# Altium PCB Sensor_Box_Hub_OrangePi.PCBDOC (part 1 of 2)
Units mm, origin at the board's own origin, x right, y up, seen from the top; angles counter-clockwise.
Board outline 45.25 x 72.98 mm, 2 copper layers (Top, Bot), stack 1.571 mm thick; 78 components, 71 nets, 345 pads, 240 vias.
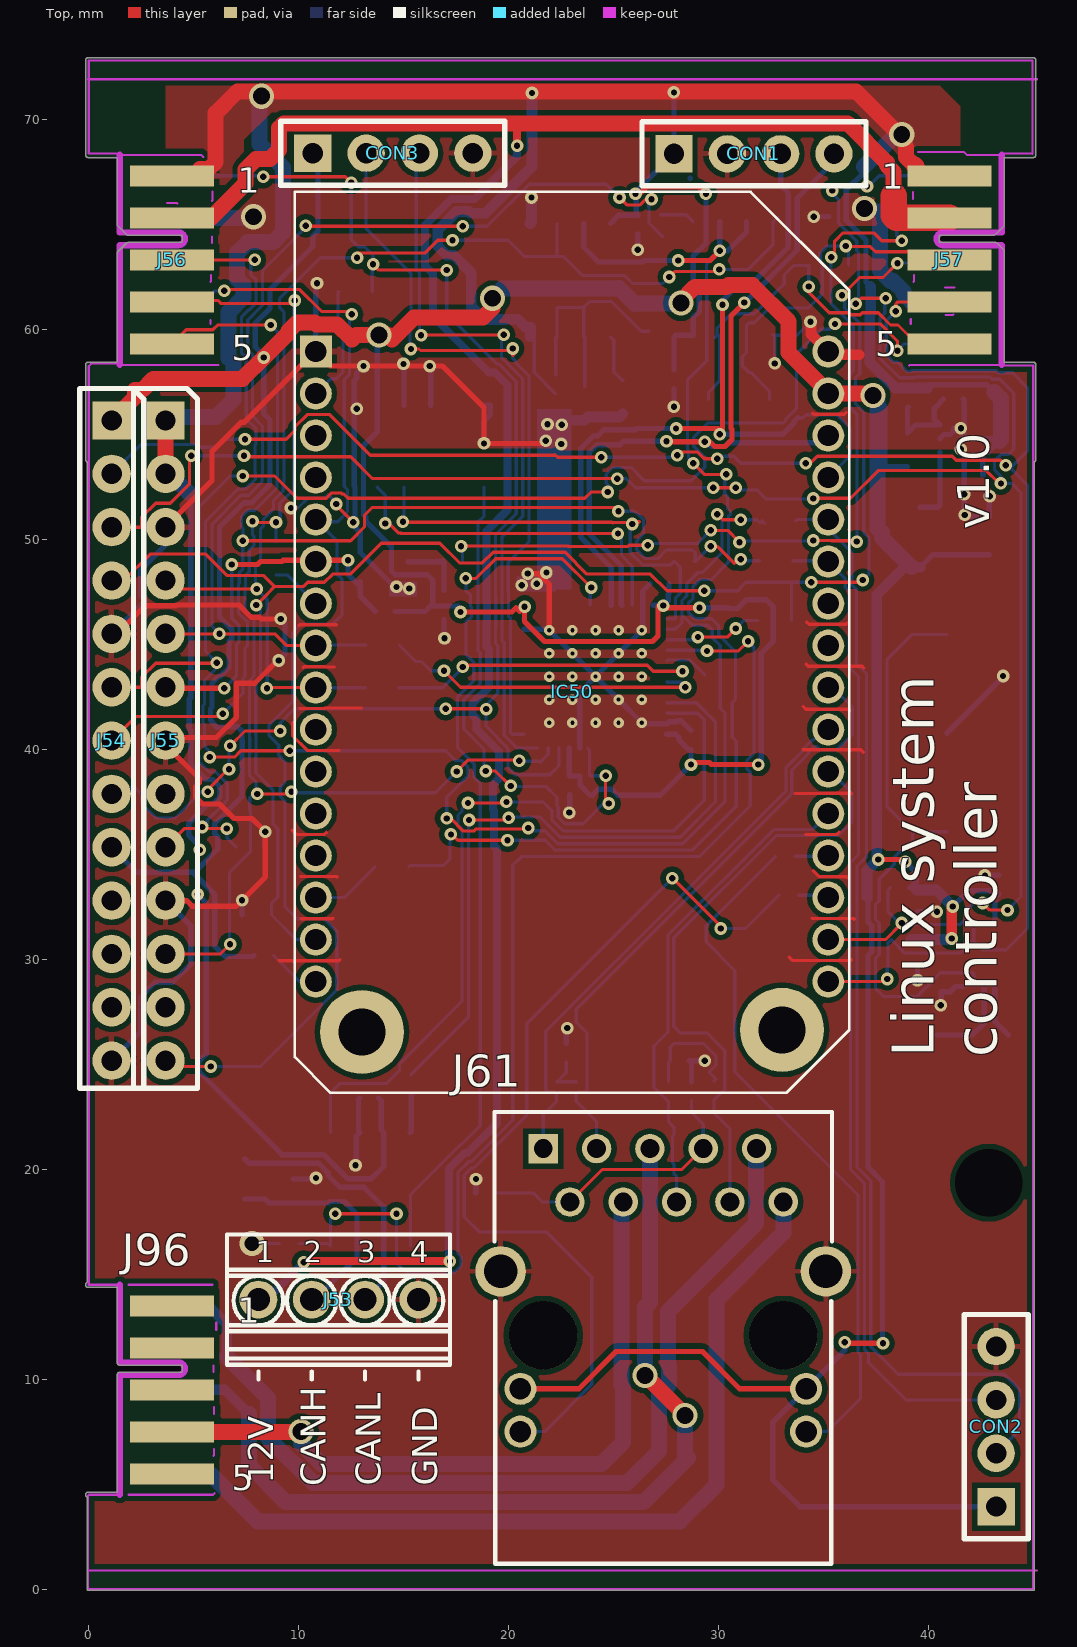
[diagram p0: Top view]
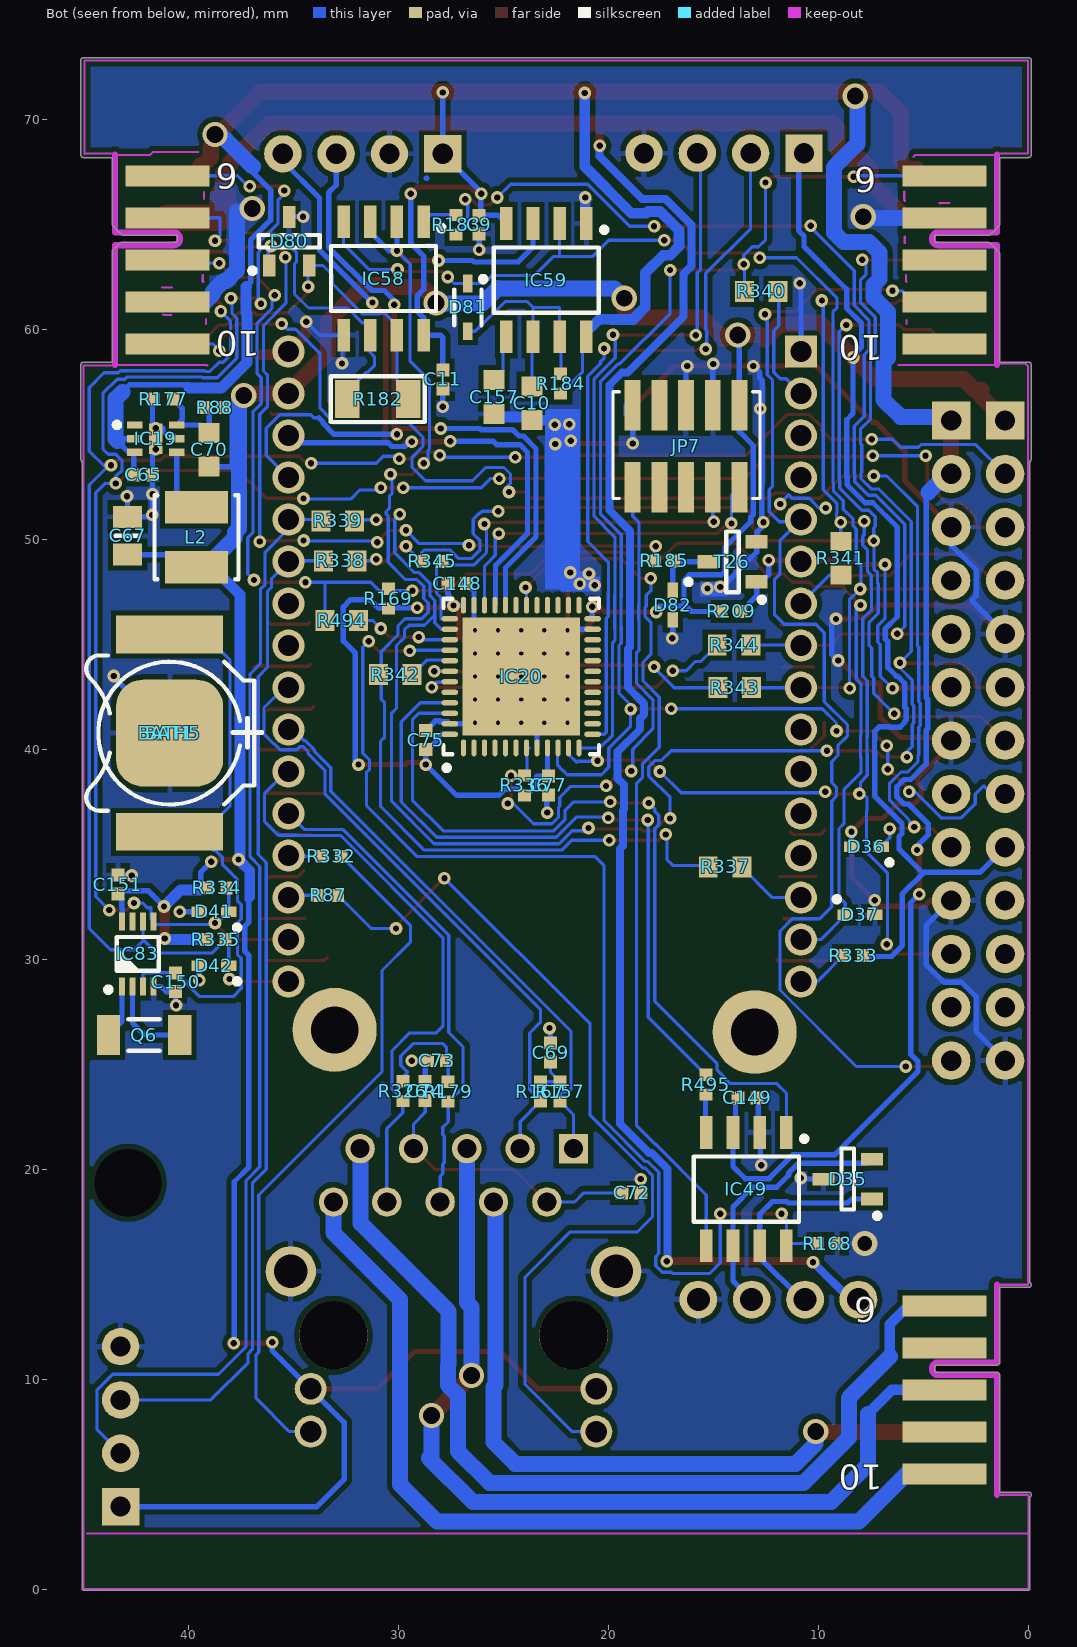
[diagram p1: Bot view, seen from below]
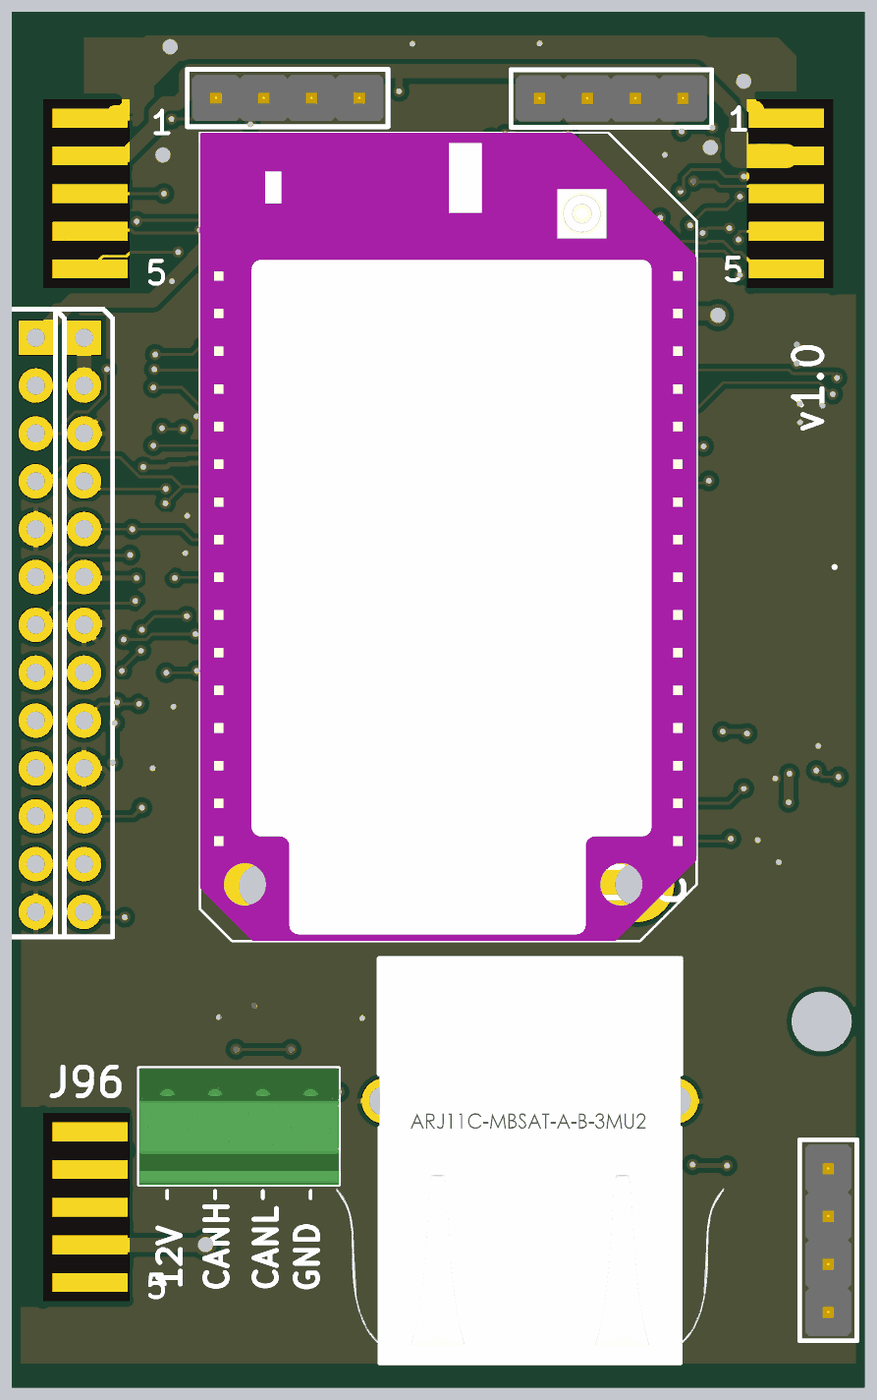
[diagram p3: 3D render of the assembled board from above, using the file's embedded part models]
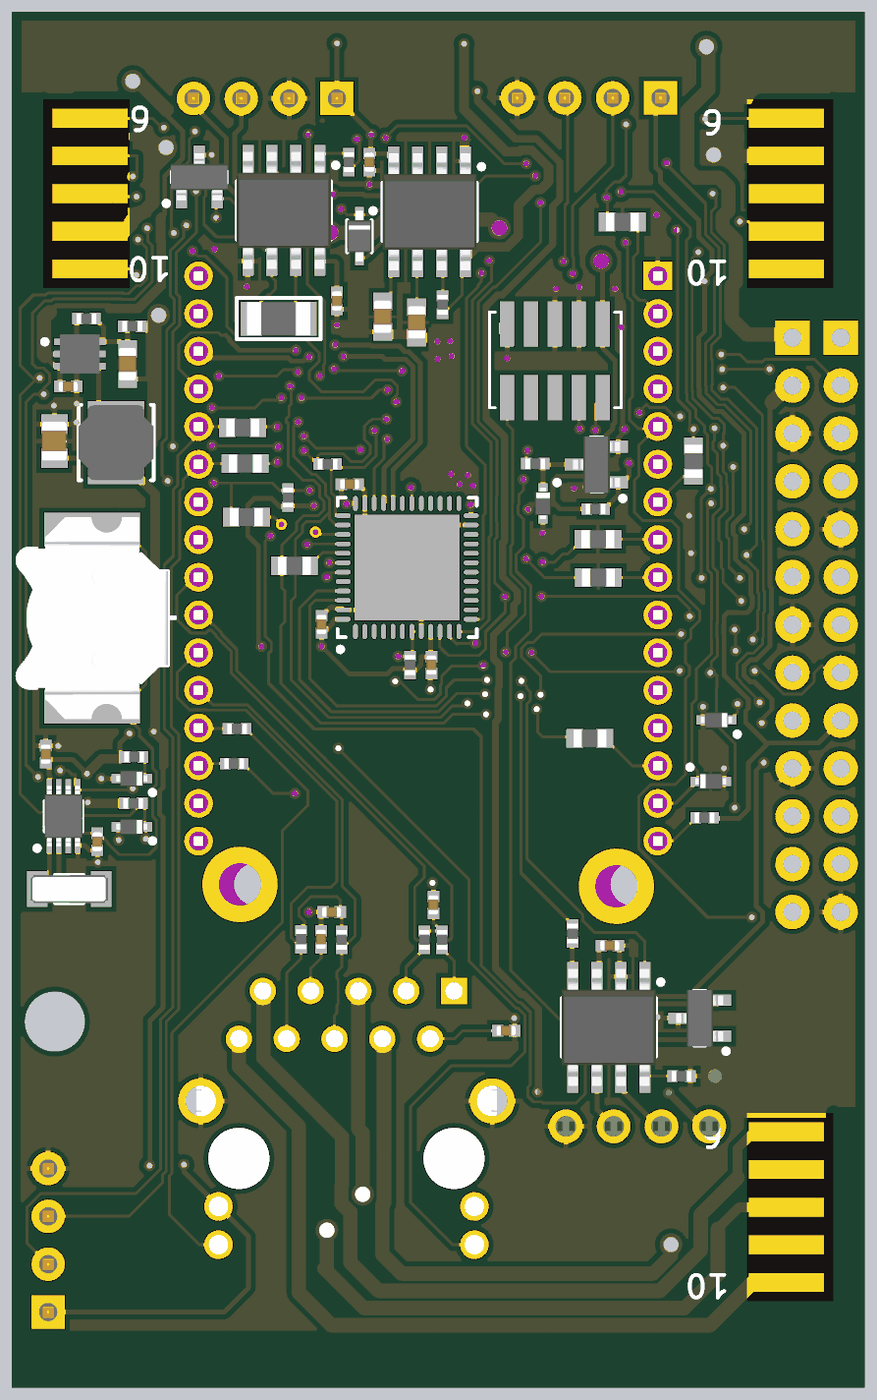
[diagram p4: 3D render of the assembled board from below, using the file's embedded part models]

## Layer stack, top to bottom
TopSolder: solder mask 0.0102, Solder Resist, Dk 3.5
Top: signal copper 0.0356
Dielectric1: core 1.5, FR-4, Dk 4.8
Bot: signal copper 0.0356
BottomSolder: solder mask 0.0102, Solder Resist, Dk 3.5

## Board outline
-0.05,4.383 cw(c0,4.5) 0,4.627 1.373,4.627 1.373,10.2 cw(c1.5,10.2) 1.5,10.327 4.473,10.327 4.473,10.673 1.5,10.673 cw(c1.5,10.8) 1.373,10.8 1.373,14.373 0.5,14.373 cw(c0.5,14.5) 0.498,14.373 0,14.373 cw(c0,14.5) -0.05,14.617 -0.05,53.683 cw(c0,53.8) -0.127,53.8 -0.127,58.3 cw(c0,58.3) 0,58.427 1.373,58.427 1.373,63.6 cw(c1.5,63.6) 1.41,63.69 1.81,64.09 1.809,64.09 cw(c1.9,64) 1.9,64.127 4.473,64.127 4.473,64.473 1.9,64.473 cw(c1.9,64.6) 1.809,64.51 1.81,64.51 1.41,64.91 1.41,64.909 cw(c1.5,65) 1.373,65 1.373,68.173 0,68.173 cw(c0,68.3) -0.127,68.3 -0.127,72.8 cw(c0,72.8) 0.002,72.927 45,72.927 cw(c45,72.8) 45.127,72.8 cw(c45,72.8) 45.127,72.798 45.127,68.3 cw(c45,68.3) 45,68.173 43.627,68.173 43.627,65 cw(c43.5,65) 43.59,64.909 43.59,64.91 43.19,64.51 cw(c43.1,64.6) 43.1,64.473 40.527,64.473 40.527,64.127 43.2,64.127 cw(c43.2,64) 43.29,64.09 43.49,63.89 ccw(c43.4,63.8) 43.49,63.89 ccw(c43.4,63.8) 43.49,63.89 43.59,63.79 cw(c43.5,63.7) 43.627,63.7 43.627,58.427 45,58.427 cw(c45,58.3) 45.127,58.3 45.127,53.8 cw(c45,53.8) 45.05,53.683 45.05,0 cw(c45,0) 45,-0.05 0,-0.05 cw(c0,0) -0.05,0

## Design rules (kind name [scope] priority, off if disabled: settings)
Clearance Clearance_DIFF [(InDifferentialPairClass('All Differential Pairs'))] p1: gap=0.127 ignorepadtopadclearanceinfootprint=FALSE except(0: Arc-Hole Track-Hole SMDPad-Hole THPad-Hole Via-Hole Fill-Hole Poly-Hole Region-Hole Text-Hole; 0.254: Arc-Poly Track-Poly SMDPad-Poly THPad-Poly Via-Poly Fill-Poly Poly-Poly Poly-Region Poly-Text)
Clearance [All] p2: gap=0.152 ignorepadtopadclearanceinfootprint=FALSE except(0.254: Arc-Poly Track-Poly SMDPad-Poly THPad-Poly Via-Poly Fill-Poly Poly-Poly)
ComponentClearance [All] p1 off: gap=0.254 collisioncheckmode=3 verticalgap=0 showdistances=FALSE
DiffPairsRouting [All] p1: maxlimit=0.254 minlimit=0.127 mostfreqgap=0.127 toplayer_minwidth=0.127 toplayer_maxwidth=0.381 toplayer_prefwidth=0.254 bottomlayer_minwidth=0.127 bottomlayer_maxwidth=0.381 bottomlayer_prefwidth=0.254 maxuncoupledlength=12.7
FabricationTestPointUsage TestPointUsage [All] p1: valid=0 allowmultiple=FALSE
FabricationTestpoint Testpoint [All] p1: side=3 testpointundercomponent=TRUE minsize=1.016 maxsize=2.54 preferedsize=1.524 minholesize=0.508 maxholesize=1.016 preferedholesize=0.813 testpointgrid=0.025 allowsidetop=TRUE allowsidebottom=TRUE usegrid=TRUE gridtolerance=0
Height [All] p1 off: minheight=0 maxheight=25.4 prefheight=12.7
HoleSize [All] p1: absolutevalues=TRUE maxlimit=3.81 minlimit=0.025 maxpercent=80.000 minpercent=20.000
HoleToHoleClearance [All] p1: gap=0.025 allowstackedmicrovias=TRUE
MinimumSolderMaskSliver [All] p1: minsoldermaskwidth=0
PlaneClearance [All] p1: clearance=0.254
PlaneConnect [All] p1: planeconnectstyle=Direct reliefexpansion=0.508 reliefentries=4 reliefconductorwidth=0.254 reliefairgap=0.254
PolygonConnect PolygonConnect_pad [(InPadClass('All Pads'))] p1: connectstyle=Relief reliefconductorwidth=0.254 reliefentries=4 polygonreliefangle="90 Angle" airgapwidth=0.254
PolygonConnect [All] p2: connectstyle=Direct reliefconductorwidth=0.254 reliefentries=4 polygonreliefangle="45 Angle" airgapwidth=0.254
RoomDefinition Sensor_Box_Hub_OrangePi [InComponentClass('Sensor_Box_Hub_OrangePi')] p1 off: confinementstyle=ConfineIn formatcopy=TRUE lockcomponents=FALSE outline 65.65,12.65 248.399,12.65 248.399,36.4 65.65,36.4
RoutingVias RoutingVias_PWR [InNetClass('PWR')] p1: holewidth=0.8 width=1.2 viastyle="Through Hole" minholewidth=0.2 minwidth=0.5 maxholewidth=0.8 maxwidth=1.2
RoutingVias [All] p2: holewidth=0.3 width=0.6 viastyle="Through Hole" minholewidth=0.2 minwidth=0.5 maxholewidth=0.8 maxwidth=1.2
SilkToSilkClearance [All] p1: silktosilkclearance=0
SilkToSolderMaskClearance SilkscreenOverComponentPads [IsPad] p1: minsilkscreentomaskgap=0 clearancetoexposedcopper=TRUE
SolderMaskExpansion [All] p1: expansion=0.051
Width Width_PWR [InNetClass('PWR')] p1: maxlimit=1.27 minlimit=0.1 preferedwidth=0.508
Width [InNetClass('All Nets')] p2: maxlimit=1.27 minlimit=0.152 preferedwidth=0.254
18 further rules are at their usual default settings.

## Classes and differential pairs
net class PWR: GND P3V3 P5V0 P12V0
differential pair PHY_TD: +PHY_TD_P -PHY_TD_N
differential pair PHY_RD: +PHY_RD_P -PHY_RD_N

## Components (designator, comment, footprint, x,y, rotation, side; value= is the part's Value field where it differs from the comment)
BAT1 "1.55V" "BAT_VARTA_V 364 MF" 40.894,40.767 r180 bottom
BATH5 "=Value" BATH_KEYSTONE_2998 40.894,40.767 r90 bottom
C9 "100nF" CAPC1005X55N 26.162,64.973 r270 bottom
C10 "10nF" CAPC1608X87N 23.647,56.464 r90 bottom
C11 "100nF" CAPC1005X55N 27.889,57.607 r270 bottom
C65 "1uF" CAPC1005X55N 42.164,53.061 r0 bottom
C67 "10uF" CAPC2012X135N 42.901,50.165 r90 bottom
C69 "100nF" CAPC1005X55N 22.758,25.552 r90 bottom
C70 "68pF" CAPC1608X87N 39.014,54.254 r270 bottom
C72 "100nF" CAPC1005X55N 18.898,18.872 r180 bottom
C73 "100nF" CAPC1005X55N 28.169,25.171 r0 bottom
C74 "100nF" CAPC1005X55N 28.727,23.724 r90 bottom
C75 "100nF" CAPC1005X55N 28.702,40.437 r270 bottom
C77 "100nF" CAPC1005X55N 22.86,38.278 r90 bottom
C148 "100nF" CAPC1005X55N 27.203,47.879 r0 bottom
C149 "100nF" CAPC1005X55N 13.386,23.393 r0 bottom
C150 "100nF" CAPC1005X55N 40.615,28.905 r270 bottom
C151 "100nF" CAPC1005X55N 43.358,33.553 r90 bottom
C157 "10nF" CAPC1608X87N 25.451,56.769 r90 bottom
CON1 "goldpin 4x2.54" SIP4 27.889,68.351 r270 top
CON2 "DNP" SIP4 43.231,3.937 r0 top
CON3 "DNP" SIP4 10.693,68.377 r270 top
D35 "PESD1CAN-UX" SOT95P237X112-3N 8.611,19.533 r0 bottom
D36 "PESD3V3S1UB" SODFL1608X65N 7.722,35.357 r0 bottom
D37 "PESD3V3S1UB" SODFL1608X65N 8.026,32.106 r180 bottom
D41 "PESD3V3S1UB" SODFL1608X65N 38.786,32.258 r0 bottom
D42 "PESD3V3S1UB" SODFL1608X65N 38.786,29.693 r0 bottom
D80 "SM712" SOT95P237X112-3N 35.203,64.181 r90 bottom
D81 "1N4148WS" SODFL2512X100N 26.695,61.036 r270 bottom
D82 "PESD3V3S1UB" SODFL1608X65N 16.942,46.863 r270 bottom
IC19 "AUR9705AGD" SON65P200X200X80-7N-R65X145 41.554,54.788 r180 bottom
IC20 "STM32F042C6U6" STM-UFQFPN48_L 24.155,43.459 r90 bottom
IC49 "MCP2551-I/SN" SOIC127P600X175-8N 13.437,19.05 r270 bottom
IC50 "DEV-14431 (Onion Omega 2+)" XCVR_OMEGA2 23.038,45.085 r0 top locked
IC58 "ST485ECDR" SOIC127P600X175-8N 30.709,62.408 r270 bottom
IC59 "NE555D" SOIC127P600X175-8N 22.962,62.332 r270 bottom
IC83 "PCF85363ATT/AJ" SOP50P310X90-8N 42.418,30.251 r90 bottom
J53 "=Family" PHOENIX_1725672 11.913,13.792 r0 top
J54 "DNP" SIP13 1.118,55.651 r180 top
J55 "DNP" SIP13 3.683,55.651 r180 top
J56 "=Family" EDGE10T1B6_P200W1000L0F100X400 4,67.3 r270 top
J57 "=Family" EDGE10T5B10_P200W1000L0F100X400 41,59.3 r90 top
J61 "RJ45" ABRACON_ARJM11C7-114-BA-EW2 27.381,12.09 r0 top
J96 "=Family" EDGE10T1B6_P200W1000L0F100X400 4,13.5 r270 top
JP7 "PLHTD10S-TR-CV" PLHTD10S-TR-CV 19.482,54.432 r0 bottom
L2 "2.2uH" IND_MURATA_LQH44PN_P0 39.624,50.089 r270 bottom
Q6 "32.768KHZ" XTAL_ABRACON_ABS09 42.113,26.391 r180 bottom
R87 "330" RESC1005X40N 33.35,33.045 r180 bottom
R88 "100k" RESC1005X40N 38.76,56.261 r180 bottom
R157 "49R9" RESC1005X40N 22.301,23.698 r90 bottom
R167 "49R9" RESC1005X40N 23.241,23.698 r90 bottom
R168 "4k7" RESC1005X40N 9.576,16.459 r0 bottom
R169 "1k" RESC1005X40N 30.487,47.168 r90 bottom
R177 "22k" RESC1005X40N 41.199,56.667 r180 bottom
R179 "49R9" RESC1005X40N 27.635,23.698 r90 bottom
R182 "120R" 1206R 30.988,56.667 r0 bottom
R183 "1k" RESC1005X40N 27.254,64.973 r90 bottom
R184 "3k9" RESC1005X40N 22.276,57.404 r90 bottom
R185 "49R9" RESC1005X40N 17.348,48.971 r180 bottom
R209 "100k" RESC1005X40N 14.148,46.558 r0 bottom
R326 "49R9" RESC1005X40N 29.794,23.724 r90 bottom
R332 "330" RESC1005X40N 33.198,34.9 r180 bottom
R333 "10k" RESC1005X40N 8.357,30.175 r0 bottom
R334 "3k9" RESC1005X40N 38.659,33.401 r0 bottom
R335 "3k9" RESC1005X40N 38.71,30.937 r0 bottom
R336 "10k" RESC1005X40N 24.003,38.278 r90 bottom
R337 "Undefined" RESC1608X55N 14.453,34.392 r180 bottom
R338 "0" RESC1608X55N 32.766,48.971 r180 bottom
R339 "0" RESC1608X55N 32.893,50.876 r180 bottom
R340 "0" RESC1608X55N 12.725,61.798 r180 bottom
R341 "0" RESC1608X55N 8.941,49.098 r270 bottom
R342 "Undefined" RESC1608X55N 30.15,43.549 r0 bottom
R343 "Undefined" RESC1608X55N 13.995,42.926 r180 bottom
R344 "Undefined" RESC1608X55N 14.021,44.958 r180 bottom
R345 "3k9" RESC1005X40N 28.384,48.946 r180 bottom
R494 "Undefined" RESC1608X55N 32.695,46.126 r0 bottom
R495 "1k" RESC1005X40N 15.367,24.028 r90 bottom
T26 "BSS138LT1G" SOT95P240X110-3N 14.097,48.92 r0 bottom

## Footprints (in the part's own frame and the unit in brackets; to place one, negate y for a bottom-side part, rotate by r counter-clockwise, add the part's x,y. Pads: shape width x height; smd on the part's side, far side on the other; paste and mask are expansions set on the pad)
1206R [mm]
  rect 1.15x1.8 smd: 1(-1.45,0) 2(1.45,0)
  silkscreen extent -2.24,-1.09 2.24,1.09, body extent -1.67,-0.87 1.68,0.88, height 0.65
ABRACON_ARJM11C7-114-BA-EW2 [mm] "LAN Transformer, body 21.84x15.88mm"
  round 1.4 hole 0.9: 1(5.715,6.35) 2(4.445,8.89) 3(3.175,6.35) 4(1.905,8.89) 5(0.635,6.35) 6(-0.635,8.89) 7(-1.905,6.35) 8(-3.175,8.89) 9(-4.445,6.35)
  rect 1.4x1.4 hole 0.9: 10(-5.715,8.89)
  round 1.52 hole 1.02: L1(-6.8,-2.55) L2(-6.8,-4.58) L3(6.8,-2.55) L4(6.8,-4.58)
  round 3.25 hole 3.25 unplated: MH1(-5.715,0) MH2(5.715,0)
  round 2.4 hole 1.6: S1(-7.745,3.05) S2(7.745,3.05)
  silkscreen extent -8.04,-10.87 8.04,10.63, body extent -10.33,-10.87 10.33,10.63, height 16.15
"BAT_VARTA_V 364 MF" [mm] "CR60, 6.8mm Diameter x 2.2mm  Height Silver Oxide Buttun Cell Battery"
  silkscreen extent -3.4,-3.4 4.4,3.4, body extent -3.4,-3.4 3.4,3.4, height 2.2
BATH_KEYSTONE_2998 [mm] "SMD Battery Holder for SR60, SR66, SR621, LR621, MC621, V364, SC621, DR13H, D377, V13AT Coin Cells"
  rect 1.8x5.1 smd: 1(-4.7,0) 1(4.7,0)
  rrect50% 5.1x5.1 smd paste-2.55: 2(0,0)
  silkscreen extent -3.7,-4.03 3.7,3.97, body extent -5.36,-4.03 5.36,3.98, height 2.9
CAPC1005X55N [mm] "Chip Capacitor, Body 1.0x0.55mm, IPC Medium Density"
  rect 0.62x0.62 smd: 1(-0.45,0) 2(0.45,0)
  body extent -0.52,-0.27 0.53,0.28, height 0.55
CAPC1608X87N [mm] "Chip Capacitor, Body 1.6x0.8mm IPC Medium Density"
  rect 0.95x1 smd: 1(-0.8,0) 2(0.8,0)
  body extent -0.87,-0.47 0.88,0.48, height 0.87
CAPC2012X135N [mm] "Chip Capacitor, Body 2.0x1.25mm, IPC Medium Density"
  rect 1.05x1.4 smd: 1(-0.9,0) 2(0.9,0)
  silkscreen extent 0,-0.58 0,0.58, body extent -1.05,-0.67 1.05,0.68, height 1.25
EDGE10T1B6_P200W1000L0F100X400 [mm] "10 contacts Board Edge Connector, First Left Top Pad 1, First Left Bottom Pad 2, Pitch 2mm, Length 0mm, Width 10mm, Finger Lenght 4mm, Finger Width 1mm"
  rect 1x4 smd paste-0.5: 1(0,0) 2(2,0) 3(4,0) 4(6,0) 5(8,0)
  rect 1x4 smd far side paste-0.5: 6(0,0) 7(2,0) 8(4,0) 9(6,0) 10(8,0)
  KeepOutLayer lines w0.3: 9,-2.5 3.3,-2.5 3.3,0.3 ccw(c3,0.3) 2.7,0.3 2.7,-2.5 -1,-2.5
EDGE10T5B10_P200W1000L0F100X400 [mm] "10 contacts Board Edge Connector, First Left Top Pad 5, First Left Bottom Pad 10, Pitch 2mm, Length 0mm, Width 10mm, Finger Lenght 4mm, Finger Width 1mm"
  rect 1x4 smd paste-0.5: 1(8,0) 2(6,0) 3(4,0) 4(2,0) 5(0,0)
  rect 1x4 smd far side paste-0.5: 6(8,0) 7(6,0) 8(4,0) 9(2,0) 10(0,0)
  KeepOutLayer lines w0.3: -1,-2.5 4.7,-2.5 4.7,0.3 cw(c5,0.3) 5.3,0.3 5.3,-2.5 9,-2.5
IND_MURATA_LQH44PN_P0 [mm] "Wire Wound Ferrite Inductor for Power Lines, 4mm L X 4mm W X 1.65mm H, MURATA LQH44PN_P0 Series"
  rect 1.55x3 smd: 1(-1.425,0) 2(1.425,0)
  silkscreen extent -2,-2 2,2, body extent -2,-2 2,2, height 1.65
PHOENIX_1725672 [mm] "Micro PCB Terminal Block, Pitch 2.54mm, 4 Positions, Screw Connection"
  round 1.8 hole 1.1: 1(-3.81,0) 2(-1.27,0) 3(1.27,0) 4(3.81,0)
  silkscreen extent -5.31,-3.81 5.31,3.1, body extent -5.31,-3.1 5.31,3.1, height 8.5
PLHTD10S-TR-CV [mm] "SMT 1.27 mm dual goldpin"
  rect 0.76x2.4 smd: 1(-5.715,-1.95) 2(-5.715,1.95) 3(-4.445,-1.95) 4(-4.445,1.95) 5(-3.175,-1.95) 6(-3.175,1.95) 7(-1.905,-1.95) 8(-1.905,1.95) 9(-0.635,-1.95) 10(-0.635,1.95)
  silkscreen extent -6.7,-2.58 0.3,2.5, body extent -6.5,-2.15 0.1,2.15, height 4.5
RESC1005X40N [mm] "Chip Resistor, EIA 0402, Metric 1005, Body 1.0x0.5mm, IPC Medium Density"
  rect 0.58x0.62 smd: 1(-0.47,0) 2(0.47,0)
  body extent -0.52,-0.27 0.53,0.28, height 0.4
RESC1608X55N [mm] "Chip Resistor, EIA 0603, Metric 1608, Body 1.6x0.8mm, IPC Medium Density"
  rect 0.9x1 smd: 1(-0.8,0) 2(0.8,0)
  body extent -0.87,-0.47 0.88,0.48, height 0.55
SIP4 [mil]
  rect 70x70 hole 38: 1(0,0)
  round 70 hole 38: 2(0,100) 3(0,200) 4(0,300)
  silkscreen extent -60,-60 60,360, body extent -48,-50 48,350, height 315
SIP13 [mil]
  rect 72x72 hole 38: 1(0,0)
  round 72 hole 38: 2(0,100) 3(0,200) 4(0,300) 5(0,400) 6(0,500) 7(0,600) 8(0,700) 9(0,800) 10(0,900) 11(0,1000) 12(0,1100) 13(0,1200)
  silkscreen extent -60,-60 60,1252
SODFL1608X65N [mm] "Ultra Small Outline Diode Flat Lead (SOD-523), Body; 1.2mm L X 0.8mm W X 0.65mm H, IPC Medium Density"
  rect 0.75x0.5 smd: 1(-0.7,0) 2(0.7,0)
  silkscreen extent -1.22,0.63 -0.97,0.87, body extent -0.82,-0.42 0.83,0.43, height 0.65
SODFL2512X100N [mm] "SODFL Diode; 1.70mm W X 1.25mm L X 1.00mm H body, IPC Medium Density"
  rect 0.84x0.46 smd: 1(-1.14,0) 2(1.14,0)
  silkscreen extent -1.47,-0.65 0.85,0.85, body extent -1.35,-0.65 1.35,0.65, height 1
SOIC127P600X175-8N [mm] "SOIC 8, Pitch 1.27mm - Body 4x5mm, IPC Medium Density"
  rect 1.55x0.6 smd: 1(-2.7,1.905) 2(-2.7,0.635) 3(-2.7,-0.635) 4(-2.7,-1.905) 5(2.7,-1.905) 6(2.7,-0.635) 7(2.7,0.635) 8(2.7,1.905)
  silkscreen extent -2.52,-2.5 1.55,2.88, body extent -3.1,-2.5 3.1,2.5, height 1.75
SON65P200X200X80-7N-R65X145 [mm] "SON, 0.65mm Pitch, 6 Pin, 2.00mm W X 2.00mm L X 0.80mm H body (W/Thermal Tab 0.65mm X 1.45mm), IPC Medium Density"
  rect 0.75x0.35 smd: 1(-1,0.65) 2(-1,0) 3(-1,-0.65) 4(1,-0.65) 5(1,0) 6(1,0.65)
  rect 0.65x1.45 smd: 7(0,0)
  silkscreen extent -1.97,0.53 -1.73,0.77, body extent -1.05,-1.05 1.05,1.05, height 0.77
SOP50P310X90-8N [mm] "SOP, 0.50mm pitch; 8 pin, 2.30mm W X 2.00mm L X 0.90mm H body, PC Medium Density"
  rect 0.85x0.3 smd: 1(-1.55,0.75) 2(-1.55,0.25) 3(-1.55,-0.25) 4(-1.55,-0.75) 5(1.55,-0.75) 6(1.55,-0.25) 7(1.55,0.25) 8(1.55,0.75)
  silkscreen extent -1.82,-1 0.8,1.53, body extent -1.62,-1 1.62,1, height 0.9
SOT95P237X112-3N [mm] "SOT, 0.95mm, pitch; 3 pin,1.30mm W X 2.92mm L X 1.12mm H body, IPC Medium Density"
  rect 1.05x0.6 smd: 1(-1.15,0.95) 2(-1.15,-0.95) 3(1.15,0)
  silkscreen extent -1.52,-1.45 0.3,1.87, body extent -1.25,-1.5 1.25,1.5, height 1.1
SOT95P240X110-3N [mm] "SOT23 3-Leads, Pitch 0.95mm, Body 1.3x2.9mm, IPC Medium Density"
  rect 1.05x0.65 smd: 1(-1.15,0.95) 2(-1.15,-0.95) 3(1.15,0)
  silkscreen extent -1.52,-1.45 0.3,1.92, body extent -1.25,-1.5 1.25,1.5, height 1.1
STM-UFQFPN48_L [mm] "QFN, 48-Leads, Body 7.1x7.1mm, Pitch 0.5mm, Thermal Pad 5.6x5.6mm, IPC High Density"
  oval 0.8x0.25 smd: 1(-3.4,2.75) 2(-3.4,2.25) 3(-3.4,1.75) 4(-3.4,1.25) 5(-3.4,0.75) 6(-3.4,0.25) 7(-3.4,-0.25) 8(-3.4,-0.75) 9(-3.4,-1.25) 10(-3.4,-1.75) 11(-3.4,-2.25) 12(-3.4,-2.75) 25(3.4,-2.75) 26(3.4,-2.25) 27(3.4,-1.75) 28(3.4,-1.25) 29(3.4,-0.75) 30(3.4,-0.25) 31(3.4,0.25) 32(3.4,0.75) 33(3.4,1.25) 34(3.4,1.75) 35(3.4,2.25) 36(3.4,2.75)
  oval 0.25x0.8 smd: 13(-2.75,-3.4) 14(-2.25,-3.4) 15(-1.75,-3.4) 16(-1.25,-3.4) 17(-0.75,-3.4) 18(-0.25,-3.4) 19(0.25,-3.4) 20(0.75,-3.4) 21(1.25,-3.4) 22(1.75,-3.4) 23(2.25,-3.4) 24(2.75,-3.4) 37(2.75,3.4) 38(2.25,3.4) 39(1.75,3.4) 40(1.25,3.4) 41(0.75,3.4) 42(0.25,3.4) 43(-0.25,3.4) 44(-0.75,3.4) 45(-1.25,3.4) 46(-1.75,3.4) 47(-2.25,3.4) 48(-2.75,3.4)
  rect 5.6x5.6 smd: 49(0,0)
  silkscreen extent -4.47,-3.7 3.7,3.7, body extent -3.55,-3.55 3.55,3.55, height 0.6
XCVR_OMEGA2 [mm]
  rect 1.523x1.523 hole 1.015: 1(-12.2,13.85)
  round 1.523 hole 1.015: 2(-12.2,11.85) 3(-12.2,9.85) 4(-12.2,7.85) 5(-12.2,5.85) 6(-12.2,3.85) 7(-12.2,1.85) 8(-12.2,-0.15) 9(-12.2,-2.15) 10(-12.2,-4.15) 11(-12.2,-6.15) 12(-12.2,-8.15) 13(-12.2,-10.15) 14(-12.2,-12.15) 15(-12.2,-14.15) 16(-12.2,-16.15) 17(12.2,-16.15) 18(12.2,-14.15) 19(12.2,-12.15) 20(12.2,-10.15) 21(12.2,-8.15) 22(12.2,-6.15) 23(12.2,-4.15) 24(12.2,-2.15) 25(12.2,-0.15) 26(12.2,1.85) 27(12.2,3.85) 28(12.2,5.85) 29(12.2,7.85) 30(12.2,9.85) 31(12.2,11.85) 32(12.2,13.85)
  round 4 hole 2.25: None(-10,-18.55) None(10,-18.45)
  silkscreen extent -13.2,-21.45 13.2,21.45, body extent -13.2,-21.45 13.2,21.45, height 6.9
XTAL_ABRACON_ABS09 [mm] "2 Pins, 4.1x1.5mm, SMD Low Profile Crystal, ABS09 Series"
  rect 1.1x1.9 smd: 1(-1.7,0) 2(1.7,0)
  silkscreen extent -0.75,-0.75 0.75,0.75, body extent -2.05,-0.75 2.05,0.75, height 0.9
